# Altium PCB Control_Part_V1.1.PcbDoc
Units mil, origin at the board's own origin, x right, y up, seen from the top; angles counter-clockwise.
Board outline 7086.61 x 7283.46 mil, 2 copper layers (Top Layer, Bottom Layer); 22 components, 28 nets, 406 pads, 22 vias.
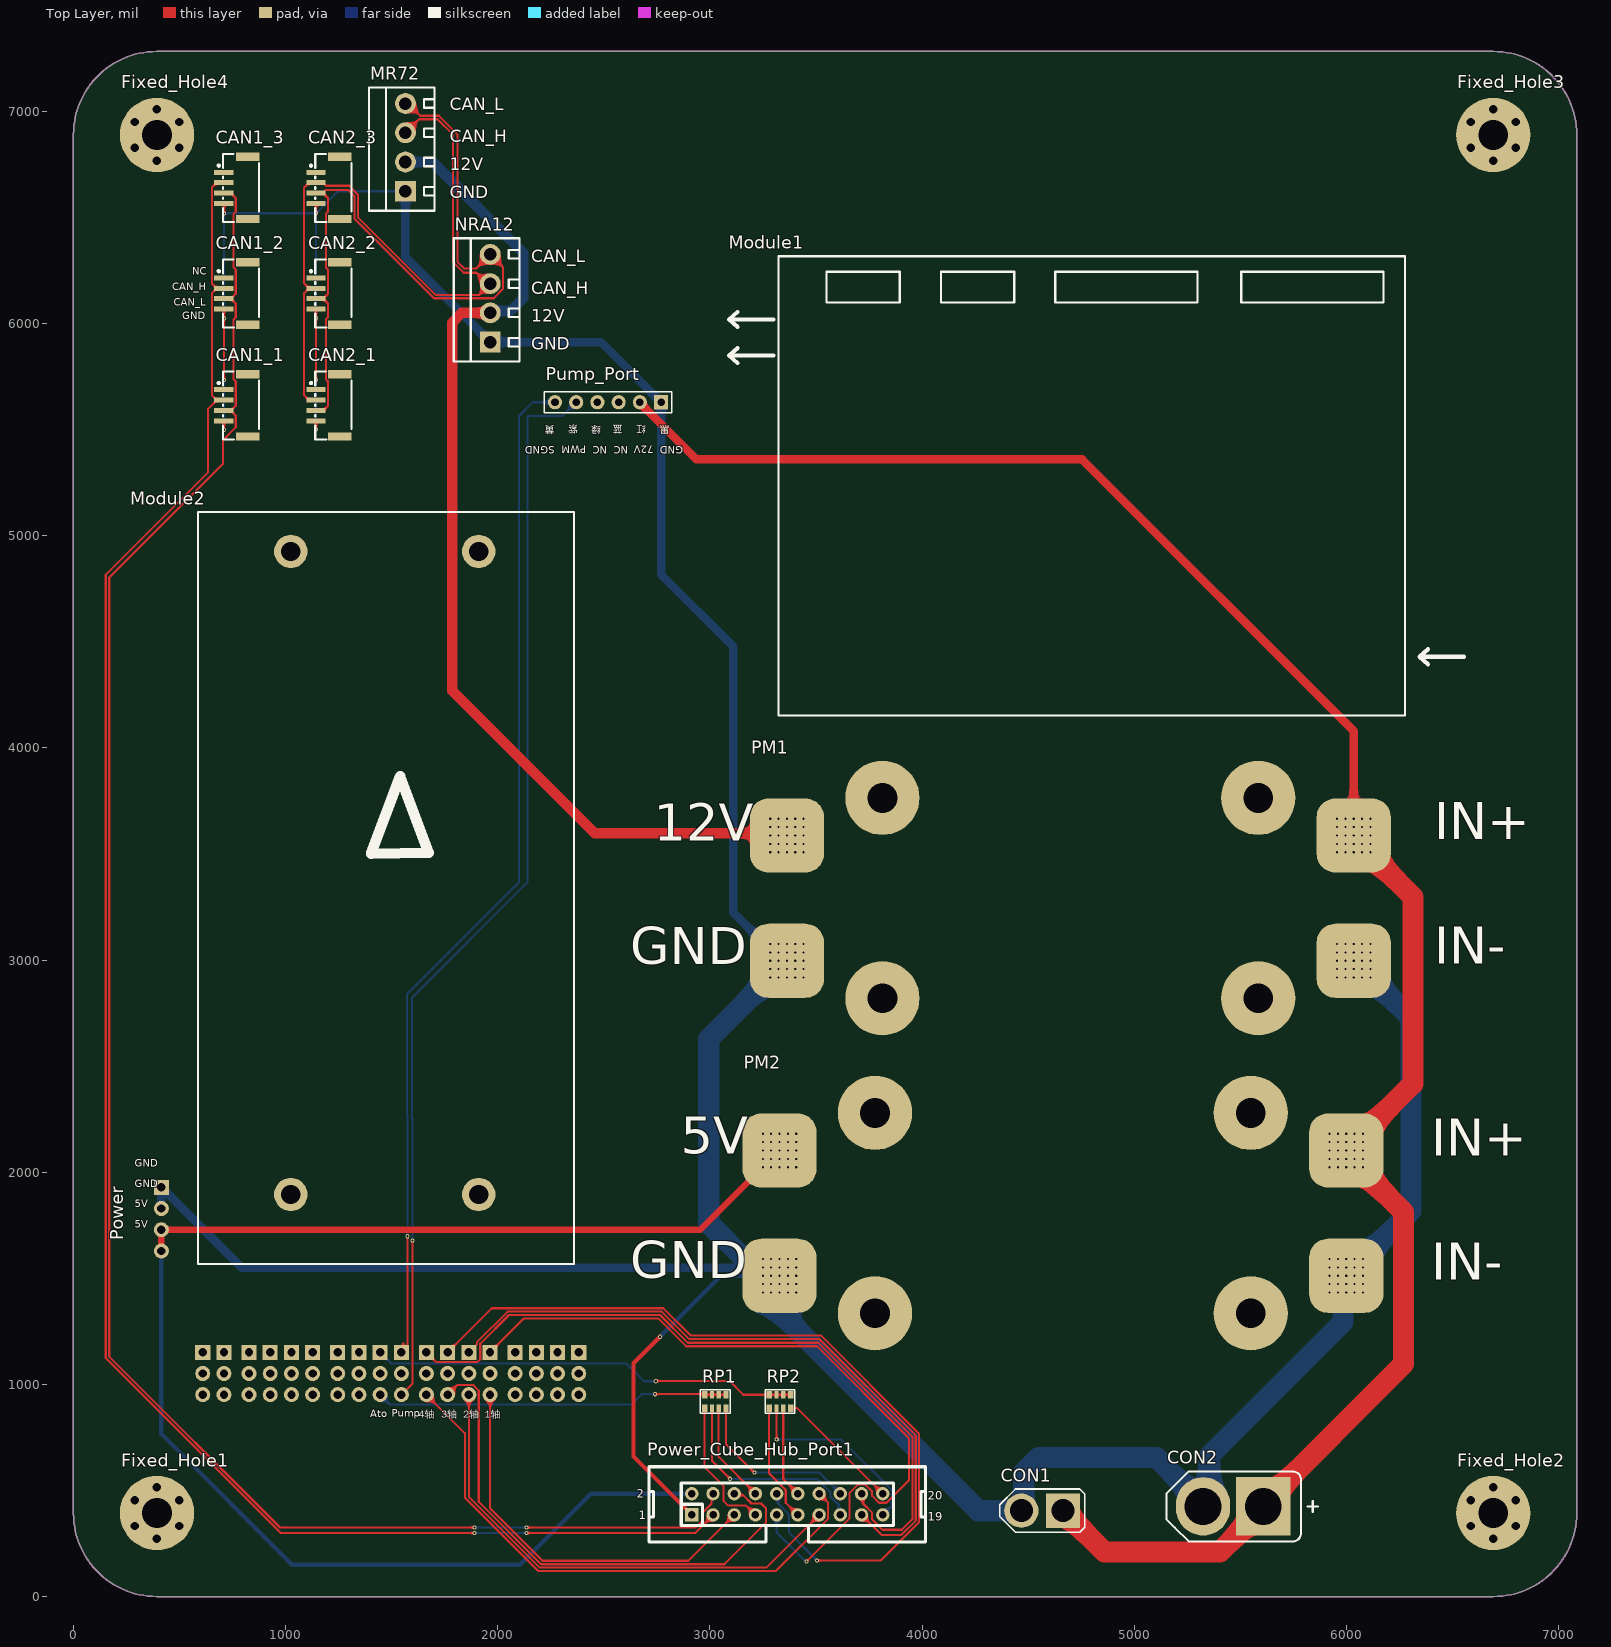
[diagram p0: Top Layer view]
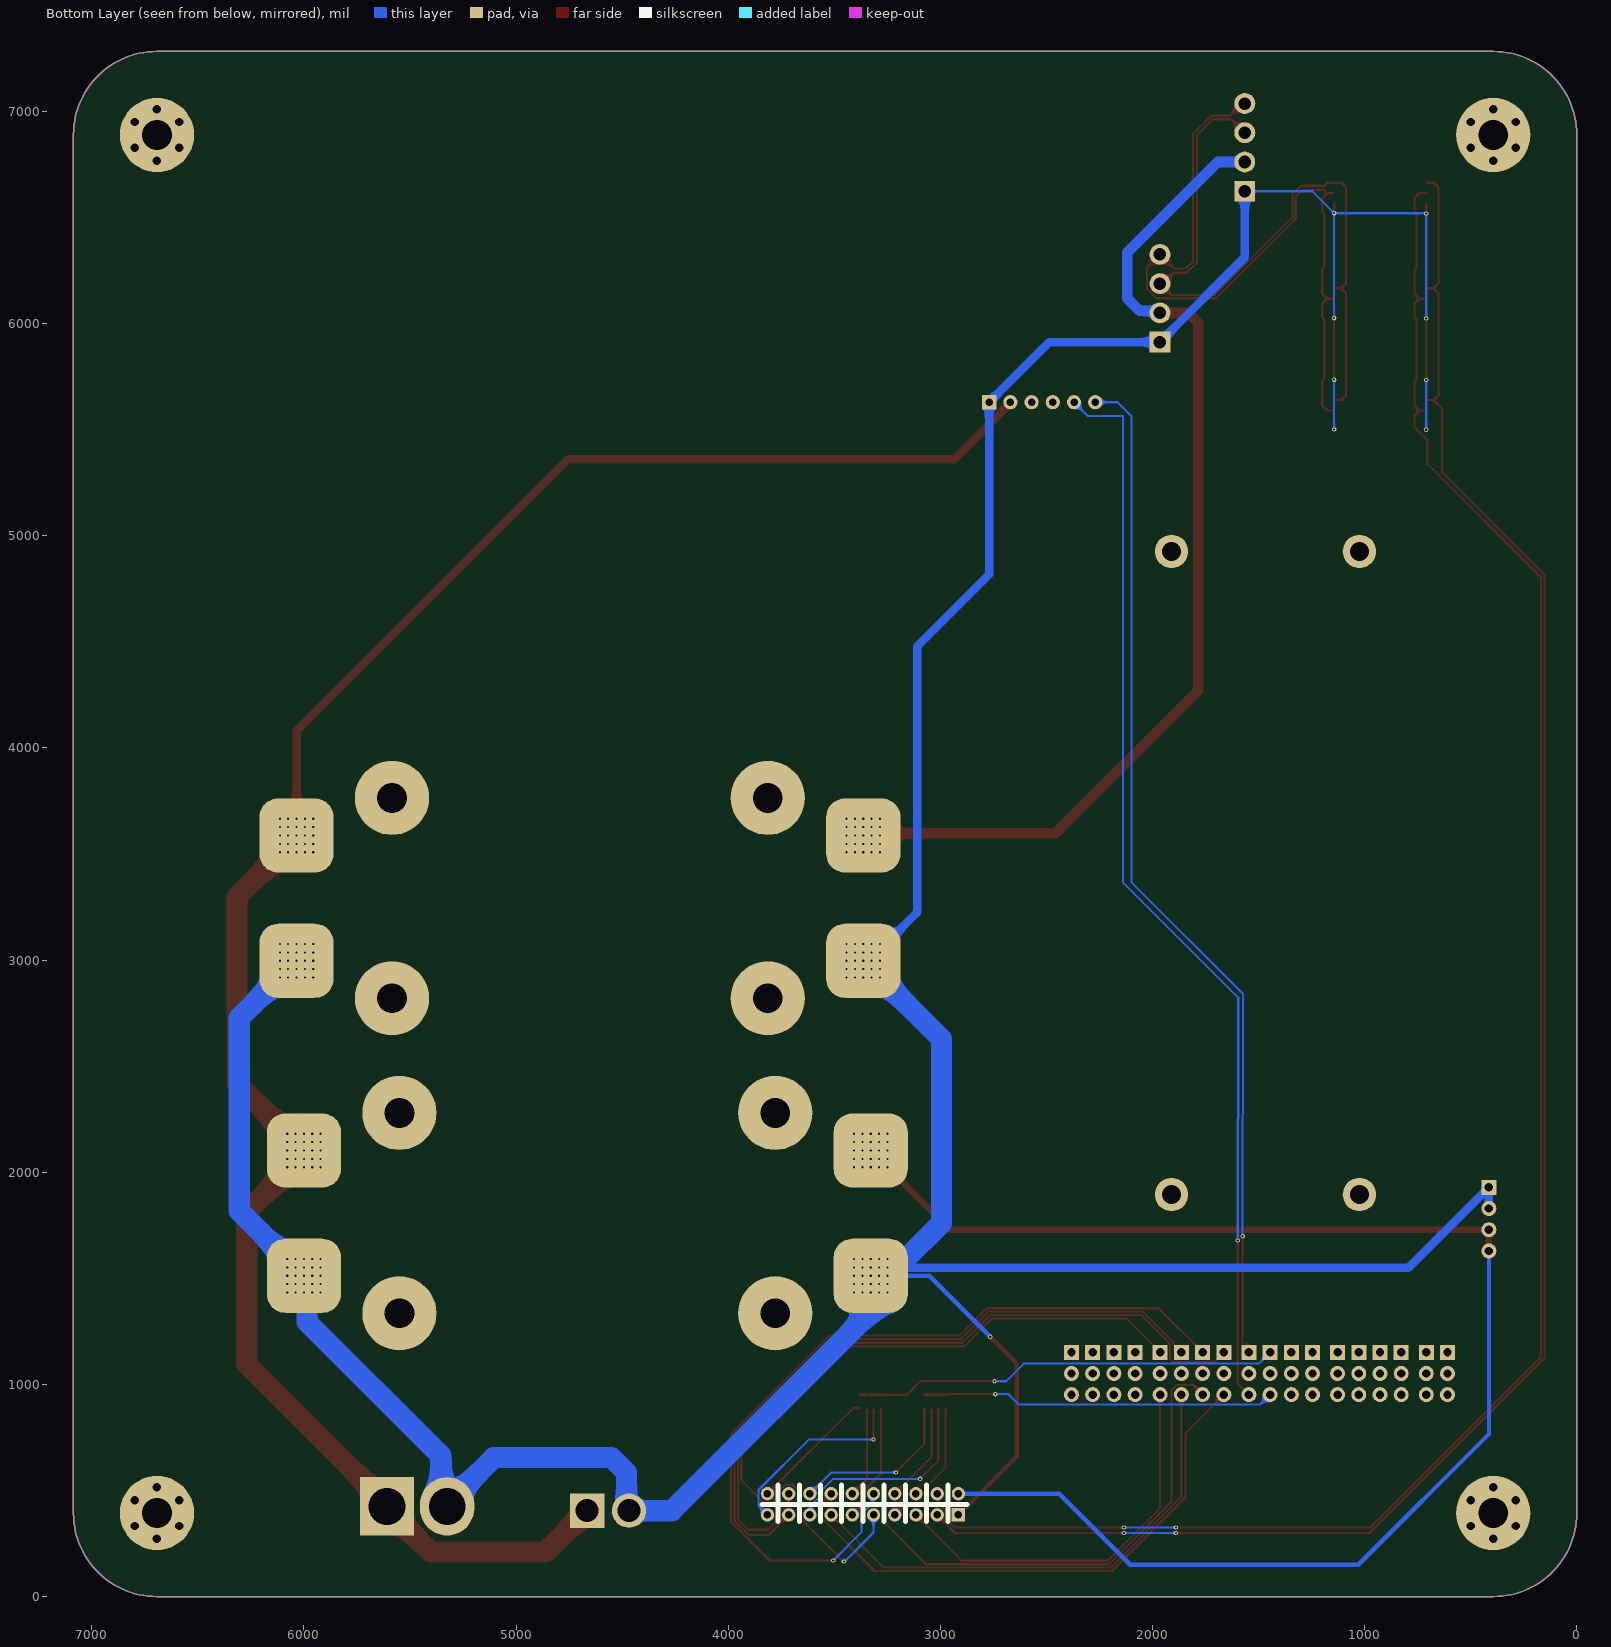
[diagram p1: Bottom Layer view, seen from below]

## Layer stack, top to bottom
Top Solder: solder mask 0.4, Solder Resist, Dk 3.5
Top Layer: signal copper 1.4
Dielectric 1: dielectric 12.6, FR-4, Dk 4.8
Bottom Layer: signal copper 1.4
Bottom Solder: solder mask 0.4, Solder Resist, Dk 3.5

## Board outline
0,393.7 0,6889.76 cw(c393.7,6889.76) 393.7,7283.46 6692.91,7283.46 cw(c6692.91,6889.76) 7086.61,6889.76 7086.61,393.7 cw(c6692.91,393.7) 6692.91,0 393.7,0 cw(c393.7,393.7)

## Design rules (kind name [scope] priority, off if disabled: settings)
Clearance [All] p1: gap=6 ignorepadtopadclearanceinfootprint=FALSE except(0: Arc-Text Arc-Hole Track-Text Track-Hole SMDPad-Text SMDPad-Hole THPad-Text THPad-Hole Via-Text Via-Hole Fill-Text Fill-Hole Poly-Text Poly-Hole Region-Text Region-Hole Text-Text Text-Hole)
HoleSize [All] p1: absolutevalues=TRUE maxlimit=10000 minlimit=1 maxpercent=80.000 minpercent=20.000
HoleToHoleClearance [All] p1: gap=6 allowstackedmicrovias=TRUE
MinimumSolderMaskSliver [All] p1: minsoldermaskwidth=0
PlaneClearance [All] p1: clearance=10
PlaneConnect [All] p1: planeconnectstyle=Direct reliefexpansion=20 reliefentries=4 reliefconductorwidth=10 reliefairgap=10
PolygonConnect [All] p1: connectstyle=Direct reliefconductorwidth=10 reliefentries=4 polygonreliefangle="90 Angle" airgapwidth=10
RoutingVias [All] p1: holewidth=10 width=20 viastyle="Through Hole" minholewidth=10 minwidth=20 maxholewidth=10 maxwidth=20
SilkToSilkClearance [All] p1: silktosilkclearance=0
SilkToSolderMaskClearance [IsPad] p1: minsilkscreentomaskgap=0 clearancetoexposedcopper=TRUE
SolderMaskExpansion [All] p1: expansion=4 istentingtop=FALSE
Width [All] p1: maxlimit=10000 minlimit=6 preferedwidth=10 minimp=50.000000 maximp=50.000000 favimp=50.000000
23 further rules are at their usual default settings.

## Classes and differential pairs
component class Sheet2: CON1 CON2 Fixed_Hole1 Fixed_Hole2 Fixed_Hole3 Fixed_Hole4 Module1 PM1 Pump_Port
component class Sheet3: CAN1_1 CAN1_2 CAN1_3 CAN2_1 CAN2_2 CAN2_3 Module2 MR72 NRA12 PM2 Power_Cube_Hub_Port1 RP1 RP2

## Components (designator, comment, footprint, x,y, rotation, side; value= is the part's Value field where it differs from the comment)
CAN1_1 "HDR-1X4" GH1.25-LS-4P 765,5615 r90 top
CAN1_2 "HDR-1X4" GH1.25-LS-4P 765,6142.31 r90 top
CAN1_3 "HDR-1X4" GH1.25-LS-4P 765,6640 r90 top
CAN2_1 "HDR-1X4" GH1.25-LS-4P 1200,5615 r90 top
CAN2_2 "HDR-1X4" GH1.25-LS-4P 1200,6142.31 r90 top
CAN2_3 "HDR-1X4" GH1.25-LS-4P 1200,6640 r90 top
CON1 "XT30" XT30U-M 4665,405 r180 top
CON2 "XT60" TX60U-F 5466.73,425 r180 top
Fixed_Hole1 "M3" "M3 140X350" 393.7,393.7 r90 top
Fixed_Hole2 "M3" "M3 140X350" 6692.91,393.7 r90 top
Fixed_Hole3 "M3" "M3 140X350" 6692.91,6889.76 r90 top
Fixed_Hole4 "M3" "M3 140X350" 393.7,6889.76 r90 top
Module1 "MK15" MK15 4800,5235 r180 top
Module2 "Pixhawk 6X" CUAV_PixhawkV6X 409.61,5811.61 r270 top
MR72 "HDR-1X4" KF350-4P 1565,6831.1 r90 top
NRA12 "HDR-1X4" KF350-4P 1965,6120 r90 top
PM1 "Power_Module" PCBComponent_1 5585,3764.73 r180 top
PM2 "Power_Module" PCBComponent_1 5550,2279.88 r180 top
Power_Cube_Hub_Port1 "Header 2X10" IDC2.54-LI-2x10P 2915,385 r0 top
Pump_Port "HDR-1X6" HDR2.54-LI-6P 2520,5630 r180 top
RP1 "0R" RCA-8P4R-0603 3025.75,920 r0 top
RP2 "0R" RCA-8P4R-0603 3330,920 r0 top

## Footprints (in the part's own frame and the unit in brackets; to place one, negate y for a bottom-side part, rotate by r counter-clockwise, add the part's x,y. Pads: shape width x height; smd on the part's side, far side on the other; paste and mask are expansions set on the pad)
CUAV_PixhawkV6X [mm]
  rect 1.8x1.8 hole 1: 1(118.364,5.08) 4(118.364,7.62) 7(118.364,10.62) 10(118.364,13.16) 13(118.364,15.7) 16(118.364,18.24) 19(118.364,21.24) 22(118.364,23.78) 25(118.364,26.32) 28(118.364,28.86) 31(118.364,31.86) 34(118.364,34.4) 37(118.364,36.94) 40(118.364,39.48) 43(118.364,42.48) 46(118.364,45.02) 49(118.364,47.56) 52(118.364,50.1) 55(98.612,0.121)
  round 1.8 hole 1: 2(120.904,5.08) 3(123.444,5.08) 5(120.904,7.62) 6(123.444,7.62) 8(120.904,10.62) 9(123.444,10.62) 11(120.904,13.16) 12(123.444,13.16) 14(120.904,15.7) 15(123.444,15.7) 17(120.904,18.24) 18(123.444,18.24) 20(120.904,21.24) 21(123.444,21.24) 23(120.904,23.78) 24(123.444,23.78) 26(120.904,26.32) 27(123.444,26.32) 29(120.904,28.86) 30(123.444,28.86) 32(120.904,31.86) 33(123.444,31.86) 35(120.904,34.4) 36(123.444,34.4) 38(120.904,36.94) 39(123.444,36.94) 41(120.904,39.48) 42(123.444,39.48) 44(120.904,42.48) 45(123.444,42.48) 47(120.904,45.02) 48(123.444,45.02) 50(120.904,47.56) 51(123.444,47.56) 53(120.904,50.1) 54(123.444,50.1) 56(101.152,0.121) 57(103.692,0.121) 58(106.232,0.121)
  round 4 hole 2.3: ""(22.479,38.121) ""(22.479,15.621) ""(99.479,38.121) ""(99.479,15.621)
  silkscreen extent 17.78,4.53 107.78,49.53
GH1.25-LS-4P [mm]
  rect 0.6x2.3 smd mask+0.051: 1(1.875,1.425) 2(0.625,1.425) 3(-0.625,1.425) 4(-1.875,1.425)
  rect 1x2.8 smd mask+0.051: 5(-3.725,-1.425) 6(3.725,-1.425)
  silkscreen extent -4.06,-2.8 4.06,2.15, body extent -4.13,-2.66 4.13,2.29, height 4.2
HDR2.54-LI-6P [mm] "排针，6脚"
  rect 1.7x1.7 hole 0.9: 1(-6.35,0)
  round 1.7 hole 0.9: 2(-3.81,0) 3(-1.27,0) 4(1.27,0) 5(3.81,0) 6(6.35,0)
  silkscreen extent -7.62,-1.27 7.62,1.27, body extent -7.62,-1.27 7.62,1.27, height 8.5
IDC2.54-LI-2x10P [mm] "20P简易牛角座"
  rect 1.6x1.6 hole 0.9: 1(0,0)
  round 1.6 hole 0.9: 2(0,2.54) 3(2.54,0) 4(2.54,2.54) 5(5.08,0) 6(5.08,2.54) 7(7.62,0) 8(7.62,2.54) 9(10.16,0) 10(10.16,2.54) 11(12.7,0) 12(12.7,2.54) 13(15.24,0) 14(15.24,2.54) 15(17.78,0) 16(17.78,2.54) 17(20.32,0) 18(20.32,2.54) 19(22.86,0) 20(22.86,2.54)
  silkscreen extent -5.11,-3.23 27.97,5.77, body extent -5.08,-3.08 27.94,5.77, height 9.17
KF350-4P [mm] "可拼接端子/10A"
  rect 2.5x2.5 hole 1.5: 1(-5.25,0)
  round 2.5 hole 1.5: 2(-1.75,0) 3(1.75,0) 4(5.25,0)
  silkscreen extent -7.59,-3.48 7.19,4.37, body extent -7.4,-3.3 7,4.2, height 10
"M3 140X350" [mil] "M3螺丝孔，孔140Mil，焊盘350Mil"
  round 35 hole 40: 1(-122,0) 1(-61,105.66) 1(-61,-105.66) 1(61,105.66) 1(61,-105.66) 1(122,0)
  round 350 hole 140: 1(0,0)
MK15 [mil]
  silkscreen extent -1755,-1083 1710,1083
PCBComponent_1 [mil]
  round 20 hole 10: 1(-528.74,98.43) 1(-528.74,137.8) 1(-528.74,177.17) 1(-528.74,216.54) 1(-528.74,255.91) 1(-489.37,255.91) 1(-489.37,98.43) 1(-489.37,137.8) 1(-489.37,177.17) 1(-489.37,216.54) 1(-450,255.91) 1(-450,98.43) 1(-450,137.8) 1(-450,177.17) 1(-450,216.54) 1(-410.63,255.91) 1(-410.63,98.43) 1(-410.63,137.8) 1(-410.63,177.17) 1(-410.63,216.54) 1(-371.26,255.91) 1(-371.26,98.43) 1(-371.26,137.8) 1(-371.26,177.17) 1(-371.26,216.54) 2(2142.91,98.43) 2(2142.91,137.8) 2(2142.91,177.17) 2(2142.91,216.54) 2(2142.91,255.91) 2(2182.28,98.43) 2(2182.28,137.8) 2(2182.28,177.17) 2(2182.28,216.54) 2(2182.28,255.91) 2(2221.65,98.43) 2(2221.65,137.8) 2(2221.65,177.17) 2(2221.65,216.54) 2(2221.65,255.91) 2(2261.02,98.43) 2(2261.02,137.8) 2(2261.02,177.17) 2(2261.02,216.54) 2(2261.02,255.91) 2(2300.39,98.43) 2(2300.39,137.8) 2(2300.39,177.17) 2(2300.39,216.54) 2(2300.39,255.91) 3(2142.91,688.98) 3(2142.91,728.35) 3(2142.91,767.72) 3(2142.91,807.09) 3(2142.91,846.46) 3(2182.28,688.98) 3(2182.28,728.35) 3(2182.28,767.72) 3(2182.28,807.09) 3(2182.28,846.46) 3(2221.65,688.98) 3(2221.65,728.35) 3(2221.65,767.72) 3(2221.65,807.09) 3(2221.65,846.46) 3(2261.02,688.98) 3(2261.02,728.35) 3(2261.02,767.72) 3(2261.02,807.09) 3(2261.02,846.46) 3(2300.39,688.98) 3(2300.39,728.35) 3(2300.39,767.72) 3(2300.39,807.09) 3(2300.39,846.46) 4(-528.74,688.98) 4(-528.74,728.35) 4(-528.74,767.72) 4(-528.74,807.09) 4(-528.74,846.46) 4(-489.37,728.35) 4(-489.37,767.72) 4(-489.37,807.09) 4(-489.37,846.46) 4(-489.37,688.98) 4(-450,728.35) 4(-450,767.72) 4(-450,807.09) 4(-450,846.46) 4(-450,688.98) 4(-410.63,728.35) 4(-410.63,767.72) 4(-410.63,807.09) 4(-410.63,846.46) 4(-410.63,688.98) 4(-371.26,728.35) 4(-371.26,767.72) 4(-371.26,807.09) 4(-371.26,846.46) 4(-371.26,688.98)
  rrect50% 350x350 smd: 1(-450,177.17) 2(2221.65,177.17) 3(2221.65,767.72) 4(-450,767.72)
  rrect50% 350x350 smd far side: 1(-450,177.17) 2(2221.65,177.17) 3(2221.65,767.72) 4(-450,767.72)
  round 350 hole 140: ""(0,944.88) ""(0,0) ""(1771.65,944.88) ""(1771.65,0)
  round 60 hole 30: ""(1771.65,0)
RCA-8P4R-0603 [mm] "3.2mm*1.6mm*0.6mm(长*宽*厚)"
  rect 0.65x0.9 smd: 1(-1.28,-0.8) 4(1.28,-0.8) 5(1.28,0.8) 8(-1.28,0.8)
  rect 0.5x0.9 smd: 2(-0.4,-0.8) 3(0.4,-0.8) 6(0.4,0.8) 7(-0.4,0.8)
  silkscreen extent -1.78,-1.4 1.78,1.4, body extent -1.6,-0.8 1.6,0.8, height 0.6
TX60U-F [mm] "长：16mm，宽：8.2mm，高：16mm"
  rect 6.5x7 hole 4.4: 1(-3.6,0)
  oval 6.5x7 hole 4.4: 2(3.6,0)
  silkscreen extent -10.16,-4.19 8,4.19, body extent -8,-4.1 8,4.1, height 15.85
XT30U-M [mm] "10.2*5.2*13.7"
  rect 4.1x4.1 hole 2.75: 1(0,0)
  round 4.1 hole 2.75: 2(5,0)
  silkscreen extent -2.6,-2.6 7.6,2.6, body extent -2.6,-2.6 7.6,2.6, height 9.4

## Part data
CAN1_1 CAN1_2 CAN1_3 CAN2_1 CAN2_2 CAN2_3 MR72 NRA12: library part "Header 4", "4P接插件", BOM名称=4P接插件
CON1 CON2: library part XT电源接口-2Pins, "电源接口", BOM名称=XT航模电源接口
Fixed_Hole1 Fixed_Hole2 Fixed_Hole3 Fixed_Hole4: "铜柱孔", BOM名称=铜柱孔
Power_Cube_Hub_Port1: library part "Header 10X2", "10*2P接插件", BOM名称=10*2P接插件
Pump_Port: library part "Header 6", "6P接插件", BOM名称=6P接插件
RP1 RP2: library part R-8P4R, "贴片网络排阻", BOM名称=贴片网络排阻

## Via types
v1: diameter 20, hole 10, Top Layer to Bottom Layer, tented both sides, 22 vias

## Nets (pads, with @x,y where several pads share a name; then routed paths per layer and width w, separated by ;. In a path a pad name is that pad's centre, name@x,y a point inside that pad or via, vN(x,y) a via of type N, cw(c..) or ccw(c..) an arc to the next point about the centre after c; other vN are vias at no path point)
12V: MR72.2 NRA12.2 PM1.2 | length 4926
  Top Layer w50: NRA12.2 1831.1,6051.1 1785,6005 1785,4270 2457.28,3597.72 3353.2,3597.72 PM1.2@3363.35,3587.57
  Bottom Layer w50: MR72.2 1692.8,6762.2 2120,6335 2120,6119.29 2061.08,6060.37 1974.27,6060.37 NRA12.2
72V: CON1.1 CON2.1 PM1.1 PM2.1 Pump_Port.2 | length 9415.6
  Top Layer w40: Pump_Port.2 2670,5626.3 2936.3,5360 4755,5360 6035,4080 PM1.1@6035,3597.72
  Top Layer w100: CON1.1 4860,210 5403.31,210 5608.46,415.16 5608.46,434.84 6270,1096.38 6270,1812.42 6000,2082.42 6000,2102.72 6315,2417.72 6315,3297.42 6035,3577.42 PM1.1@6035,3597.72
Atomizer_Signal_GND: Module2.25 RP2.5 RP2.6 RP2.7 RP2.8 | length 2019
  Top Layer w10: v1(2745,1015) 2746.91,1016.91 3092.24,1016.91 3157.66,951.5 RP2.8 RP2.7 RP2.6 RP2.5
  Bottom Layer w10: Module2.25 1499.39,1098.05 2606.95,1098.05 2690,1015 v1(2745,1015)
Atomizer_Signal_GND_1: Power_Cube_Hub_Port1.11 RP2.1 | length 559.6
  Top Layer w10: RP2.1 3279.61,580.49 3357.5,502.6 3357.5,442.5 Power_Cube_Hub_Port1.11
Atomizer_Signal_GND_2: Power_Cube_Hub_Port1.19 RP2.2 | length 924.8
  Top Layer w10: RP2.2 3314.63,888.13 3314.63,740.37 v1(3315,740)
  Bottom Layer w10: v1(3315,740) 3620.1,740 3857.5,502.6 3857.5,427.5 Power_Cube_Hub_Port1.19
Atomizer_Signal_GND_3: Power_Cube_Hub_Port1.12 RP2.3 | length 432.2
  Top Layer w10: RP2.3 3345.75,554.25 Power_Cube_Hub_Port1.12
Atomizer_Signal_GND_4: Power_Cube_Hub_Port1.20 RP2.4 | length 601.7
  Top Layer w10: RP2.4 3411.5,888.5 Power_Cube_Hub_Port1.20
Atomizer_Signal_PWM: Module2.27 RP1.5 RP1.6 RP1.7 RP1.8 | length 1670.8
  Top Layer w10: v1(2740.96,954.04) 2972.81,954.04 RP1.8 RP1.7 RP1.6 RP1.5
  Bottom Layer w10: Module2.27 1492.26,905.18 2630.18,905.18 2679.04,954.04 v1(2740.96,954.04)
Atomizer_Signal_PWM_1: Power_Cube_Hub_Port1.7 RP1.1 | length 652.6
  Top Layer w10: RP1.1 2975.35,609.65 3065,520 3065,450 3085,430 3170,430 Power_Cube_Hub_Port1.7
Atomizer_Signal_PWM_2: Power_Cube_Hub_Port1.15 RP1.2 | length 994.3
  Top Layer w10: RP1.2 3010,640 v1(3095,555)
  Bottom Layer w10: v1(3095,555) 3505.1,555 3568.73,491.37 3568.73,471.17 3608.41,431.5 3608.41,391.59 Power_Cube_Hub_Port1.15
Atomizer_Signal_PWM_3: Power_Cube_Hub_Port1.8 RP1.3 | length 475.4
  Top Layer w10: RP1.3 3041.5,658.5 Power_Cube_Hub_Port1.8
Atomizer_Signal_PWM_4: Power_Cube_Hub_Port1.16 RP1.4 | length 805.4
  Top Layer w10: RP1.4 3076.14,718.86 v1(3210,585)
  Bottom Layer w10: v1(3210,585) 3515,585 Power_Cube_Hub_Port1.16
CAN2_H: CAN2_1.2 CAN2_2.2 CAN2_3.2 MR72.3 NRA12.3 | length 3388.7
  Top Layer w10: CAN2_1.2 1110.44,5639.61 1087.63,5662.42 1087.63,6144.1 CAN2_2.2@1110.44,6166.91 ; CAN2_2.2 CAN2_2.2@1110.44,6166.91 ; MR72.3 1629,6964 1716,6964 1790,6890 1790,6290 1840,6240 1900,6240 1951.1,6188.9 NRA12.3 1912.1,6136 1705.98,6136 1341,6500.98 1341,6609.17 1300.17,6650 1190.04,6650 1184.18,6655.86 1184.18,6657.8 1177.37,6664.61 1110.44,6664.61 1087.63,6641.8 1087.63,6189.73 CAN2_2.2@1110.44,6166.91
CAN2_L: CAN2_1.3 CAN2_2.3 CAN2_3.3 MR72.4 NRA12.4 | length 3648.9
  Top Layer w10: CAN2_1.3 1177.37,5590.39 1200.18,5613.2 1200.18,5727.22 1189.98,5737.41 1189.98,6019.9 1200.18,6030.09 1200.18,6094.88 CAN2_2.3@1177.37,6117.69 ; CAN2_2.3 CAN2_2.3@1177.37,6117.69 ; MR72.4 1577.2,7037.8 1635,6980 1722.63,6980 1810.09,6892.54 1810.09,6292.54 1842.63,6260 1898.3,6260 NRA12.4 2025.21,6266.48 2025.21,6163.96 1981.25,6120 1699.35,6120 1325,6494.35 1325,6600 1295,6630 1190.04,6630 1184.18,6624.14 1184.18,6622.2 CAN2_3.3@1177.37,6615.39 ; CAN2_2.3@1177.37,6117.69 1200.18,6140.51 1200.18,6254.52 1189.98,6264.71 1189.98,6517.59 1200.18,6527.78 1200.18,6592.58 CAN2_3.3@1177.37,6615.39 ; CAN2_3.3@1177.37,6615.39 CAN2_3.3 CAN2_3.3@1177.37,6615.39
Motor_PWM_1: Module2.42 Power_Cube_Hub_Port1.5 | length 1879
  Top Layer w10: Module2.42 1963.94,415.68 2211,168.62 2898.62,168.62 Power_Cube_Hub_Port1.5
Motor_PWM_2: Module2.39 Power_Cube_Hub_Port1.13 | length 2373.4
  Top Layer w10: Module2.39 1863.94,470.42 2197.74,136.62 3266.62,136.62 Power_Cube_Hub_Port1.13
Motor_PWM_3: Module2.36 Power_Cube_Hub_Port1.6 | length 2503.3
  Top Layer w10: Module2.36 1810.37,998.05 1883.17,998.05 1910.37,970.85 1910.37,446.62 2204.37,152.62 3067.62,152.62 3265,350 3265,415 3241.27,438.73 3196.27,438.73 3156.59,478.41 3121.59,478.41 Power_Cube_Hub_Port1.6
Motor_PWM_4: Module2.33 Power_Cube_Hub_Port1.14 | length 2653.2
  Top Layer w10: Module2.33 1845,770.55 1845,466.73 2191.11,120.62 3310.72,120.62 3557.5,367.4 3557.5,442.5 Power_Cube_Hub_Port1.14
Motor_Signal_GND_1: Module2.40 Power_Cube_Hub_Port1.9 | length 3547.6
  Top Layer w10: Module2.40 2123.7,1311.38 2756.61,1311.38 2887.99,1180 3505.38,1180 3938.57,746.82 3938.57,548.47 3832.6,442.5 3797.4,442.5 3765,474.9 3765,495.1 3732.6,527.5 3697.4,527.5 3657.5,487.59 3657.5,367.4 3455.1,165 v1(3455,165)
  Bottom Layer w10: Power_Cube_Hub_Port1.9 3315,302.29 3452.29,165 v1(3455,165)
Motor_Signal_GND_2: Module2.37 Power_Cube_Hub_Port1.17 | length 3158.2
  Top Layer w10: Module2.37 1901.5,1189.18 1901.5,1198.23 2046.65,1343.38 2773.96,1343.38 2903.61,1213.72 3516.91,1213.72 3970.57,760.07 3970.57,357.94 3902.63,290 3810,290 Power_Cube_Hub_Port1.17
Motor_Signal_GND_3: Module2.34 Power_Cube_Hub_Port1.10 | length 3919.9
  Top Layer w10: Module2.34 1971.7,1359.38 2780.62,1359.38 2908.83,1231.17 3522.09,1231.17 3986.57,766.7 3986.57,351.31 3805.25,170 v1(3505,170)
  Bottom Layer w10: Power_Cube_Hub_Port1.10 3321.59,478.41 3321.59,438.5 3372.5,387.59 3372.5,302.5 v1(3505,170)
Motor_Signal_GND_4: Module2.31 Power_Cube_Hub_Port1.18 | length 3443.7
  Top Layer w10: Module2.31 1710.37,1105.18 1903.93,1105.18 1917.5,1118.76 1917.5,1191.6 2053.28,1327.38 2765.28,1327.38 2896.39,1196.28 3511.74,1196.28 3954.57,753.44 3954.57,364.57 3905,315 3813.36,315 3765,363.36 3765,395.1 3721.59,438.5 3721.59,478.41 Power_Cube_Hub_Port1.18
Pump_PWM: Module2.30 Pump_Port.5 | length 5133.6
  Top Layer w10: Module2.30 1598.01,1003.8 1598.01,1670.94 1598.09,1671.02 v1(1598.09,1678.09) ; Pump_Port.5@2359.11,5619.11 Pump_Port.5
  Bottom Layer w10: v1(1598.09,1678.09) 1598.09,2251 1596,2253.09 1596,2823.29 2140,3367.29 2140,5565 2305,5565 Pump_Port.5
Pump_Signal_GND: Module2.28 Pump_Port.6 | length 4841.5
  Top Layer w10: Module2.28 1575,1180.79 v1(1575,1698.25)
  Bottom Layer w10: v1(1575,1698.25) 1575,2271.46 1573,2273.46 1573,2840.29 2100,3367.29 2100,5565 2165,5630 Pump_Port.6
PWR_Sense_5V: Module2.57 Module2.58 PM2.2 Power_Cube_Hub_Port1.2 | length 6926.7
  Top Layer w30: Module2.58 Module2.57 2954.88,1729.25 3249.61,2023.98 3288.98,2063.35 PM2.2@3328.35,2102.72
  Bottom Layer w20: Module2.58 414.39,765.61 1030,150 2105,150 2440,485 Power_Cube_Hub_Port1.2
PWR_Sense_CAN_H: CAN1_1.2 CAN1_2.2 CAN1_3.2 Power_Cube_Hub_Port1.3 | length 9135
  Top Layer w10: CAN1_1.2 CAN1_1.2@675.44,5639.61 ; CAN1_2.2 CAN1_2.2@675.44,6166.91 ; CAN1_3.2 675.44,6664.61 652.63,6641.8 652.63,6189.73 CAN1_2.2@675.44,6166.91 ; v1(1890,299.71) 977.28,299.71 152.62,1124.37 152.62,4816.91 635,5299.29 635,5599.17 CAN1_1.2@675.44,5639.61 ; v1(2135.42,299.71) 2930.88,299.71 3015,383.82 Power_Cube_Hub_Port1.3 ; CAN1_1.2@675.44,5639.61 652.63,5662.42 652.63,6144.1 CAN1_2.2@675.44,6166.91
  Bottom Layer w10: v1(1890,299.71) v1(2135.42,299.71)
PWR_Sense_CAN_L: CAN1_1.3 CAN1_2.3 CAN1_3.3 Power_Cube_Hub_Port1.4 | length 9188
  Top Layer w10: CAN1_1.3 CAN1_1.3@742.37,5590.39 ; CAN1_2.3 CAN1_2.3@742.37,6117.69 ; CAN1_3.3 742.37,6615.39 765.18,6592.58 765.18,6527.78 754.98,6517.59 754.98,6264.71 765.18,6254.52 765.18,6140.51 CAN1_2.3@742.37,6117.69 ; v1(1890,325.71) 973.91,325.71 168.62,1131 168.62,4803.62 705,5340 705,5451.2 765.18,5511.38 765.18,5567.58 CAN1_1.3@742.37,5590.39 ; v1(2135.42,325.71) 2934.25,325.71 2965,356.45 2965,395.1 3008.41,438.5 3008.41,478.41 Power_Cube_Hub_Port1.4 ; CAN1_1.3@742.37,5590.39 765.18,5613.2 765.18,5727.22 754.98,5737.41 754.98,6019.9 765.18,6030.09 765.18,6094.88 CAN1_2.3@742.37,6117.69
  Bottom Layer w10: v1(1890,325.71) v1(2135.42,325.71)
PWR_Sense_GND: CAN1_1.4 CAN1_2.4 CAN1_3.4 CAN2_1.4 CAN2_2.4 CAN2_3.4 CON1.2 CON2.2 Module2.55 Module2.56 MR72.1 NRA12.1 PM1.3 PM1.4 PM2.3 PM2.4 Power_Cube_Hub_Port1.1 Pump_Port.1 | length 20353.5
  Top Layer w10: CAN1_1.4 710,5540.08 v1(710,5500) ; CAN1_2.4 710,6067.39 v1(710,6025) v1(710,5735) ; CAN1_3.4 710,6565.08 v1(710,6520) ; CAN2_1.4@1142.8,5542.28 CAN2_1.4 v1(1143.9,5501.1) ; CAN2_2.4@1142.8,6069.58 CAN2_2.4 v1(1143.9,6026.1) v1(1143.9,5736.1) ; CAN2_3.4@1142.8,6567.28 CAN2_3.4 v1(1143.9,6521.1)
  Top Layer w20: v1(2765,1225) 2640,1100 2640,660 Power_Cube_Hub_Port1.1
  Bottom Layer w10: v1(710,5500) v1(710,5735) ; v1(710,6025) v1(710,6520) 710.55,6520.55 1143.35,6520.55 v1(1143.9,6521.1) ; v1(1143.9,5501.1) v1(1143.9,5736.1) ; v1(1143.9,6026.1) v1(1143.9,6521.1) ; MR72.1 1247.21,6624.41 v1(1143.9,6521.1) ; PM2.3@3249.61,1512.17 3288.98,1512.17 PM2.3@3308.66,1512.17
  Bottom Layer w20: v1(2765,1225) 3052.17,1512.17 PM2.3@3249.61,1512.17
  Bottom Layer w40: Module2.56 Module2.55 793.64,1550 3290.51,1550 PM2.3@3328.35,1512.17 ; MR72.1 1565,6313.3 NRA12.1 2486.69,5913.31 Pump_Port.1 2770,4818.35 3110,4478.35 3110,3223.98 PM1.3@3310.78,3023.2 ; PM2.3@3185,1570 3270.51,1570 PM2.3@3288.98,1551.54
  Bottom Layer w100: PM2.3@3185,1570 2995,1760 2995,2628.67 3284.61,2918.28 3323.98,2957.65 PM1.3@3363.35,2997.02 ; PM2.3@3328.35,1512.17 3328.35,1472.8 3328.35,1433.43 3328.35,1341.65 4265,405 CON1.2 4479.9,416.75 4479.9,584.9 4550,655 5104.84,655 CON2.2@5325,434.84 ; CON2.2@5354.83,454.83 5354.83,664.83 5985,1295 5985,1497.17 6000,1512.17 6039.37,1551.54 6078.74,1590.91 6305,1817.17 6305,2727.02 6113.74,2918.28 6074.37,2957.65 PM1.4@6035,2997.02
pads on no net: CAN1_1.1 CAN1_1.5 CAN1_1.6 CAN1_2.1 CAN1_2.5 CAN1_2.6 CAN1_3.1 CAN1_3.5 CAN1_3.6 CAN2_1.1 CAN2_1.5 CAN2_1.6 CAN2_2.1 CAN2_2.5 CAN2_2.6 CAN2_3.1 CAN2_3.5 CAN2_3.6 Fixed_Hole1.1 Fixed_Hole2.1 Fixed_Hole3.1 Fixed_Hole4.1 Module2. Module2.1 Module2.2 Module2.3 Module2.4 Module2.5 Module2.6 Module2.7 Module2.8 Module2.9 Module2.10 Module2.11 Module2.12 Module2.13 Module2.14 Module2.15 Module2.16 Module2.17 Module2.18 Module2.19 Module2.20 Module2.21 Module2.22 Module2.23 Module2.24 Module2.26 Module2.29 Module2.32 Module2.35 Module2.38 Module2.41 Module2.43 Module2.44 Module2.45 Module2.46 Module2.47 Module2.48 Module2.49 Module2.50 Module2.51 Module2.52 Module2.53 Module2.54 PM1. PM2. Pump_Port.3 Pump_Port.4

## Keep-outs
Keep-Out Layer:
  the board outline again, w6

## Silkscreen, mask and mechanical layers (free items; w line width, h text height)
Top Overlay:
  text "CAN_L" at 1775.09,6984.24 h100
  text "CAN_H" at 1775.09,6833.97 h100
  text "12V" at 1775.09,6702.83 h100
  text "GND" at 1775.09,6570.93 h100
  text "CAN_L" at 2157.74,6268.7 h100
  text "NC" at 559.88,6219.92 h60
  text "CAN_H" at 464.81,6146.13 h60
  text "CAN_H" at 2157.74,6118.43 h100
  text "CAN_L" at 472.99,6072.37 h60
  text "GND" at 512.1,6009.68 h60
  text "12V" at 2157.74,5987.29 h100
  text "GND" at 2157.74,5855.39 h100
  text "红" at 2700.1,5531.67 h60 r180
  text "蓝" at 2590.44,5530.67 h60 r180
  text "紫" at 2379.25,5529.73 h60 r180
  text "绿" at 2488.23,5529.56 h60 r180
  text "黄" at 2269.65,5528.56 h60 r180
  text "黑" at 2809.94,5528.95 h60 r180
  text "PWM" at 2416.88,5435.53 h60 r180
  text "72V" at 2735.36,5435.53 h60 r180
  text "SGND" at 2268.63,5434.98 h60 r180
  text "NC" at 2516.1,5434.98 h60 r180
  text "NC" at 2615.31,5434.98 h60 r180
  text "GND" at 2874.94,5434.98 h60 r180
  text "IN+" at 6415.28,3510 h300
  text "12V" at 2735.15,3505 h300
  text "IN-" at 6415.28,2925 h300
  text "GND" at 2625.28,2922.78 h300
  text "5V" at 2863.88,2027.78 h300
  text "IN+" at 6400.28,2020 h300
  text "GND" at 289.65,2015.26 h60
  text "GND" at 289.65,1918.49 h60
  text "5V" at 289.6,1822.32 h60
  text "5V" at 289.6,1726.15 h60
  text "GND" at 2625.28,1442.78 h300
  text "IN-" at 6400.28,1435 h300
  text "Pump" at 1500.06,836.27 h60
  text "Ato" at 1398.27,834.69 h60
  text "4轴" at 1628.33,830.08 h60
  text "3轴" at 1733.82,830.08 h60
  text "2轴" at 1836.72,830.08 h60
  text "1轴" at 1940.06,830.08 h60

## Text inside footprints (layer, text, board x,y; h text height)
Module2: Top Overlay "Power" at 235,1680 h60 r90
Power_Cube_Hub_Port1: Top Overlay "19" at 4027,357 h40; Top Overlay "20" at 4027,457 h40; Top Overlay "2" at 2655,465 h40; Top Overlay "1" at 2665,365 h40